# Allegro board FMDEMOD-Long.brd (continued)
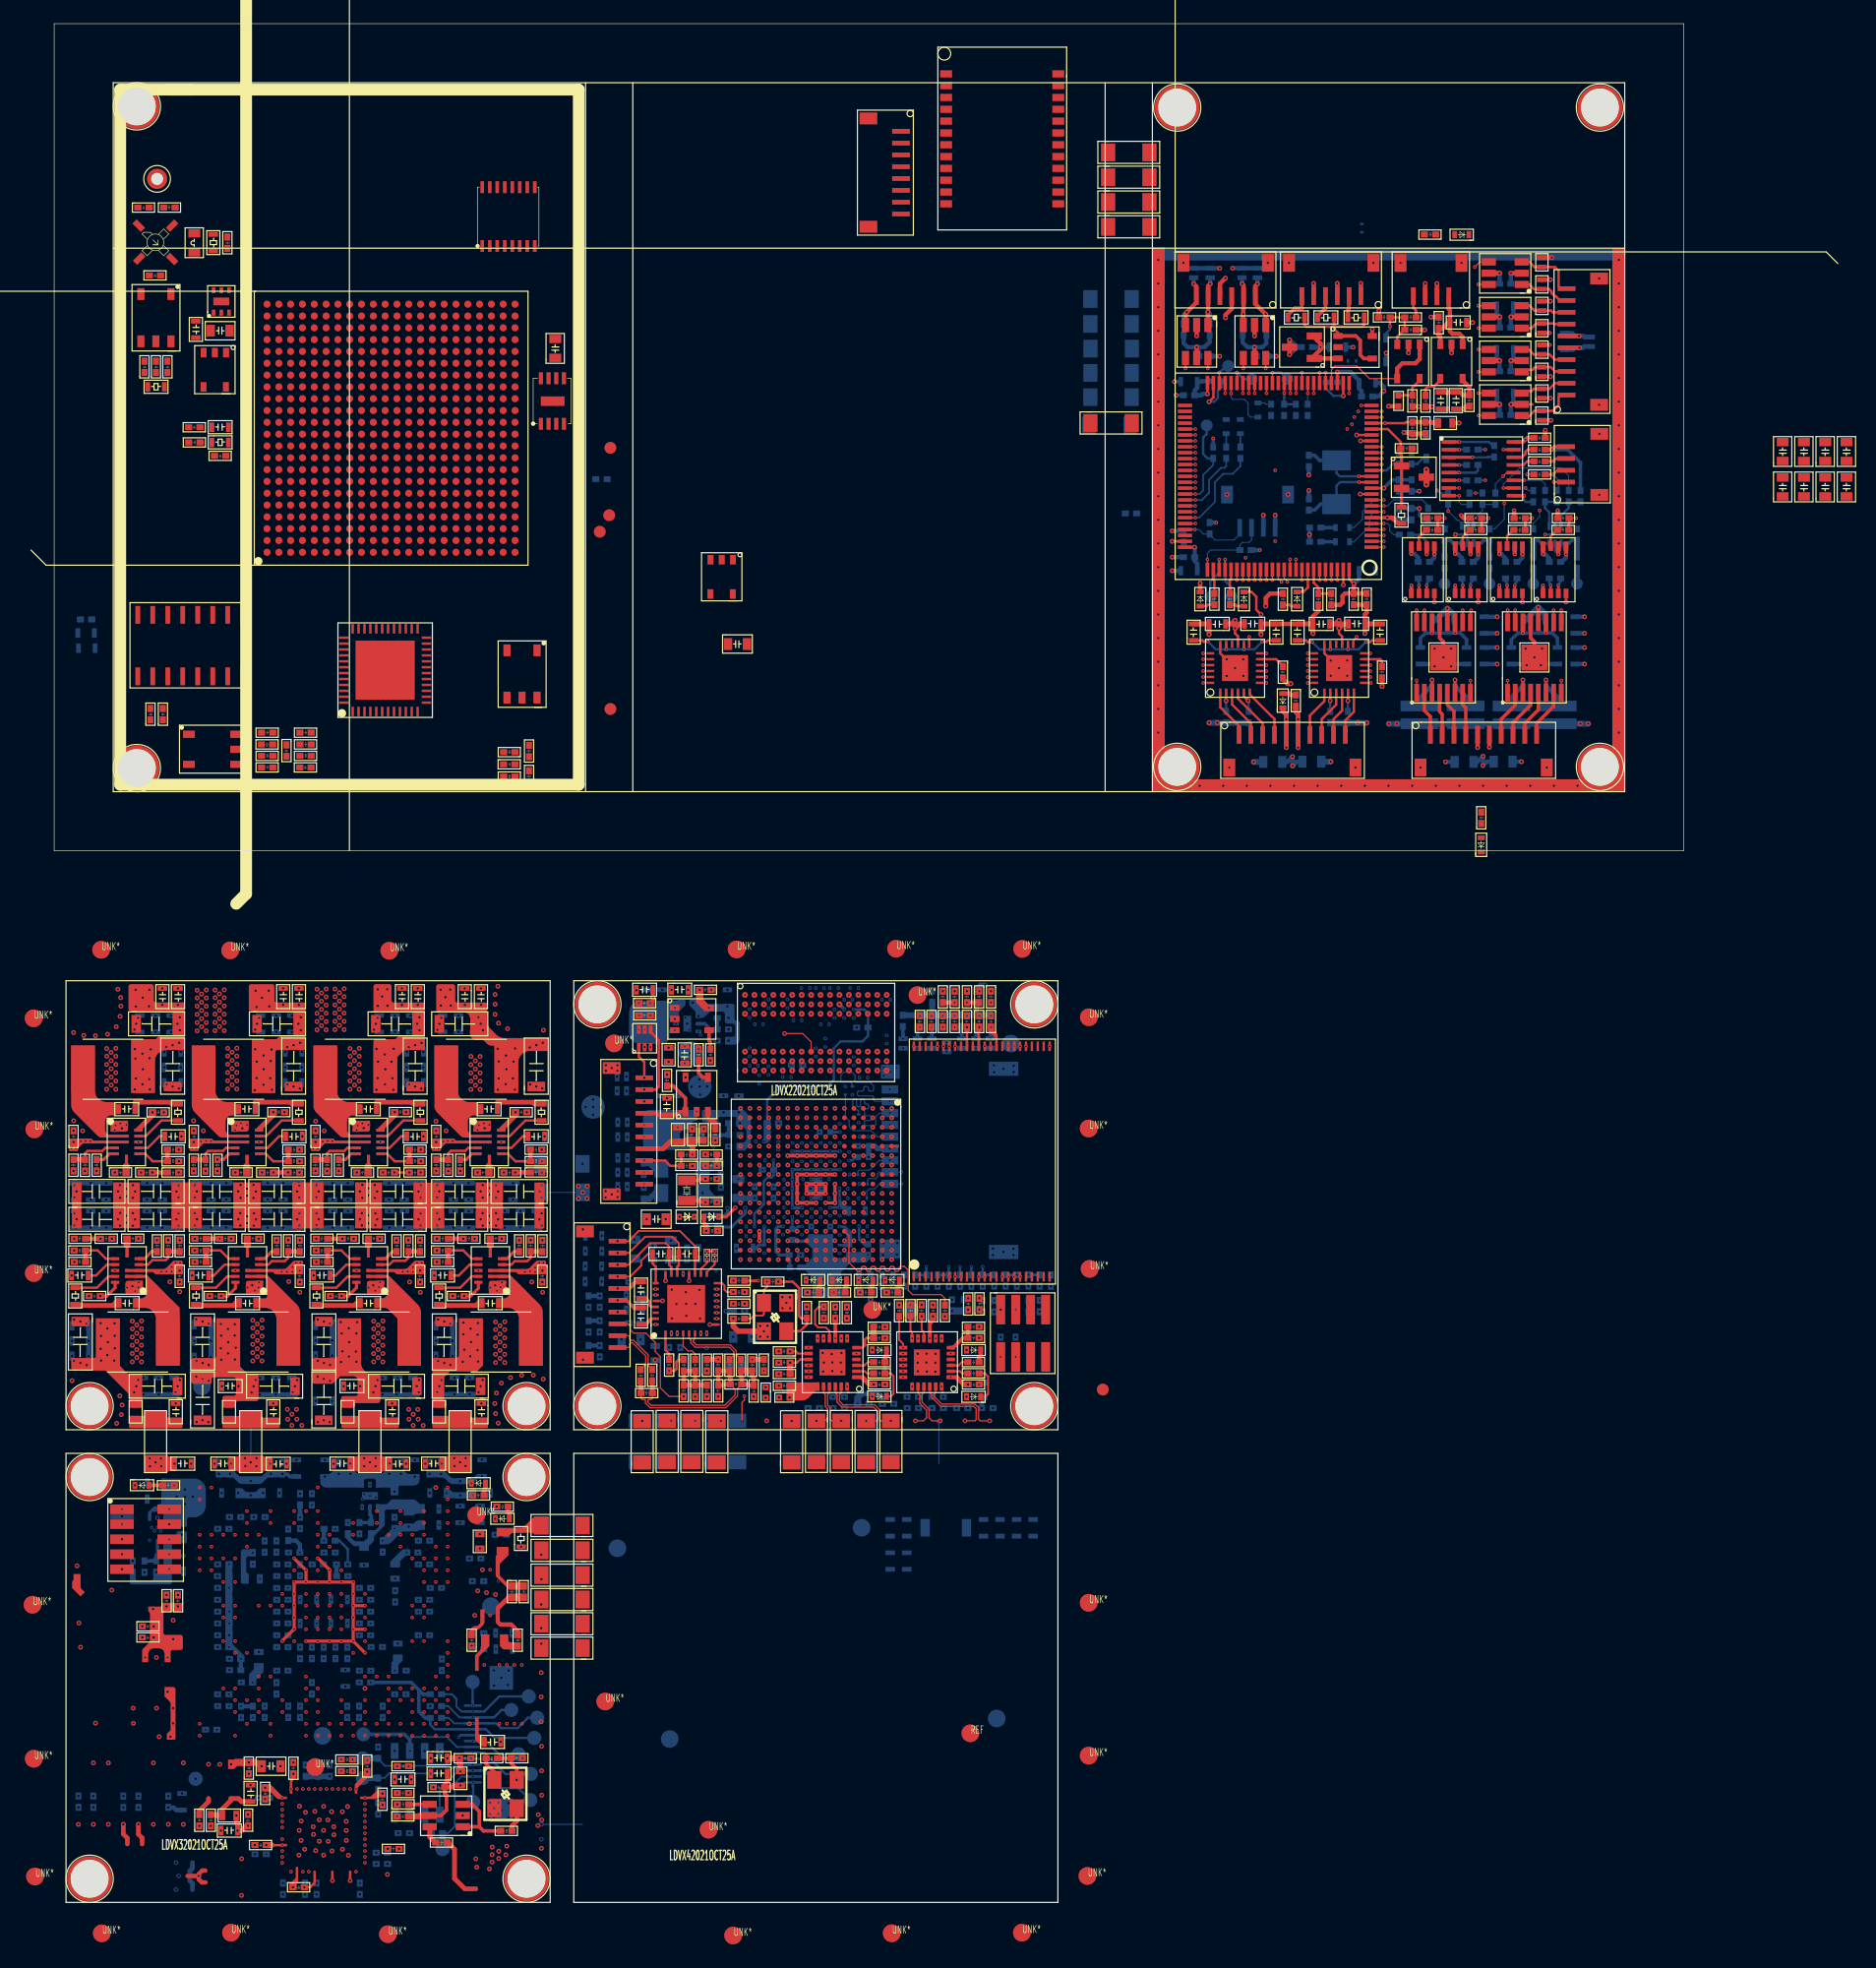
[diagram p0: board, top side]
## Routing (per net, layer and track width the routed paths; a pad name or vN(x,y) marks a point on that pad's centre or on a via; arc(x,y) is an arc through that point) (continued)
ODT1: length 4.5
  SIGNAL-L8 w0.1: v15(66.92,-21.8) 66.92,-21.46 66.17,-20.71 66.17,-19.81 65.96,-19.61 65.16,-19.61 64.9,-19.35 v15(64.9,-18.6)
OSCIN: length 7.2
  TOP w0.2: v1(110.5,31.2) 110.51,31.19 U19.12
  BOTTOM w0.2: v1(110.5,31.2) 108.9,31.2 108.59,30.89 Y3.2
  BOTTOM w0.3: Y3.2 107.24,29.34 106.73,28.83 C527.2
OSCOUT: length 6.7
  TOP w0.2: U19.13 v1(110.5,31.69)
  BOTTOM w0.2: v1(110.5,31.69) 108.87,31.69 108.59,31.96 Y3.1
  BOTTOM w0.3: C513.2 106.73,33.47 107.16,33.04 Y3.1
PHY1_3V3: length 2
  PWR-L6 w0.26: v6(72.22,-46.22) 72.65,-45.8 v3(72.65,-45.34)
  BOTTOM w0.36: v6(78.54,-47.17) 78.54,-46.75 78.63,-46.65 v6(78.63,-46.22)
  vias: v3(75.93,-44.55) v5(77.37,-45.17) v6(72.23,-47.17) v6(74.34,-47.17) v6(76.42,-47.17)
PHY2_3V3: length 1
  TOP w0.1: v5(62.28,-46.27) 62.28,-45.85 62.32,-45.81 C114.1
  vias: v5(69.39,-45.17) v6(63.84,-47.17) v6(65.96,-47.17) v6(68.04,-46.81) v6(70.14,-46.81)
PHY_UART_RX1: length 7.3
  TOP w0.3: J21.4 127.05,34.2 v1(126.8,33.95) R371.2
  BOTTOM w0.1: 129.25,30.29 R348.1
  BOTTOM w0.3: v1(126.8,33.95) 128.15,33.95 129.25,32.85 R348.1
PMIC_ON_REQ: length 16.8
  SIGNAL-L3 w0.1: v14(44.75,-26.5) 45.59,-26.5 46.91,-25.18 51.49,-25.18 52.42,-26.11 56.69,-26.11 56.8,-26.22 58.34,-26.22 58.52,-26.39 58.52,-27.8 v10(58.92,-28.2)
POWER_GOOD: length 38.2
  TOP w0.2: v11(28.81,-27.22) v11(30.08,-27.22)
  TOP w0.25: v11(13.83,-26.14) 14.33,-26.14 14.82,-25.65 U6.5
  TOP w0.36: R47.1 v11(39.04,-27.22)
  SIGNAL-L3 w0.2: v11(13.83,-26.14) 14.25,-26.14 14.46,-26.34 14.46,-27.48 14.66,-27.68 28.36,-27.68 v11(28.81,-27.22) 28.81,-26.8 29.26,-26.35 29.26,-25.15 28.76,-24.65 v10(27.62,-24.65) ; v10(37.86,-24.65) 38.93,-24.65 39.57,-25.28 39.57,-26.08 39.03,-26.61 ; v11(39.04,-27.22) 39.04,-26.62 39.03,-26.61 ; 39.03,-26.61 30.69,-26.61 v11(30.08,-27.22)
PT100-1: length 9.4
  TOP w0.1: U19.30 v1(107.67,40.47)
  TOP w0.3: J7.2 109.64,46.92 v1(109.64,45.91) 109.64,45.82 109.55,45.73 R299.2
  SIGNAL-L3 w0.1: v1(109.64,45.91) 109.01,45.91 108.5,45.4 108.5,41.67 107.67,40.84 v1(107.67,40.47)
PT100-2: length 9.1
  TOP w0.1: U19.31 v1(107.17,40.47)
  TOP w0.3: J7.4 107.67,46.93 v1(107.67,45.91) 106.99,45.24 R298.2
  SIGNAL-L3 w0.1: v1(107.17,40.47) 107.17,40.9 106.55,41.52 106.55,44.16 107.67,45.28 v1(107.67,45.91)
PT100-3: length 9
  TOP w0.1: U19.34 v1(105.67,40.47)
  TOP w0.3: R297.2 104.49,45.34 105.06,45.91 v1(105.66,45.91) J7.6
  SIGNAL-L3 w0.1: v1(105.66,45.91) 105.66,45.59 105.67,45.58 v1(105.67,40.47)
RAS: length 9.8
  SIGNAL-L4 w0.1: v17(64.9,-17) 64.51,-17.39 64.51,-18.93 63.67,-19.78 63.12,-19.78 61.69,-21.2 61.69,-24.57 v17(62.12,-25)
RSSI: length 12.9
  SIGNAL-L4 w0.2: v12(10.94,-82.4) 10.29,-81.75 5.49,-81.75 3.74,-80 v16(3.31,-80)
  SIGNAL-L4 w0.3: v16(11.98,-78.54) 11.98,-81.35 v12(10.94,-82.4)
RST_B: length 13.1
  SIGNAL-L8 w0.1: v9(70.5,-16.33) v15(70.5,-17.8) 70.5,-18.17 71.52,-19.19 71.52,-22.64 69.56,-24.59 66.52,-24.59 v15(66.12,-24.2)
SAI2_BCLK: length 12.4
  SIGNAL-L4 w0.1: v17(61.32,-33.8) 60.53,-34.59 60.53,-34.73 60.82,-35.01 60.82,-35.15 60.67,-35.29 60.53,-35.29 60.25,-35.01 60.11,-35.01 59.95,-35.17 59.95,-36.97 60.05,-37.07 60.33,-37.07 60.43,-37.17 60.43,-37.33 60.33,-37.43 60.05,-37.43 59.95,-37.53 59.95,-38.27 58.08,-40.14 57.22,-40.14 56.93,-39.84 56.93,-39.07 56.45,-38.59 v17(56.11,-38.59)
SAI2_MCLK: length 14
  SIGNAL-L4 w0.1: v17(56.11,-39.09) 56.43,-39.09 56.55,-39.21 56.55,-40 57.08,-40.53 58.61,-40.53 60.86,-38.28 60.86,-35.88 61.75,-34.99 61.75,-32.91 61.41,-32.57 60.89,-32.57 v17(60.52,-32.2)
SAI2_RXD: length 13.7
  TOP w0.16: U15.16 56.56,-36.59 56.77,-36.8 56.77,-37.15 56.97,-37.34 v12(57.51,-37.34)
  SIGNAL-L4 w0.1: v17(62.12,-32.2) 61.73,-31.81 61.73,-31.19 61.55,-31 60.05,-31 59.23,-31.83 57.59,-31.83 57.15,-32.27 57.15,-35.98 56.97,-36.16 56.97,-36.81 v12(57.51,-37.34)
SAI2_SYNC: length 12.2
  SIGNAL-L4 w0.1: v17(56.11,-38.09) 56.43,-38.09 56.43,-38.09 56.53,-38.09 57.36,-38.92 58.63,-38.92 59.33,-38.22 59.33,-34.99 59.67,-34.65 59.67,-34.51 59.33,-34.17 59.33,-34.03 59.47,-33.89 59.61,-33.89 59.95,-34.23 60.09,-34.23 60.23,-34.09 60.23,-33.94 59.89,-33.6 59.89,-33.46 60.03,-33.32 60.18,-33.32 60.52,-33.66 60.66,-33.66 v17(61.32,-33)
SAI2_TXD: length 12.1
  SIGNAL-L4 w0.1: v17(56.11,-37.59) 56.61,-37.59 56.86,-37.84 58.05,-37.84 58.49,-37.4 58.49,-35.52 57.59,-34.63 57.59,-32.88 57.9,-32.57 59.94,-32.57 60.13,-32.38 60.13,-32.01 60.34,-31.81 60.93,-31.81 v17(61.32,-32.2)
SD1_CD: length 27.7
  PWR-L6 w0.22: v4(70.77,-20.2) 71.11,-20.2 71.89,-19.42 v4(71.89,-15.91)
  SIGNAL-L7 w0.1: v18(64.52,-32.2) 64.52,-32.54 65.65,-33.66 65.65,-33.68 65.71,-33.73 65.71,-34.92 65.93,-35.14 67.37,-35.14 67.74,-34.77 67.74,-33.49 67.26,-33.01 67.26,-28.15 68.82,-26.59 68.82,-25.49 70.32,-23.99 70.32,-20.65 v4(70.77,-20.2)
  BOTTOM w0.3: v4(71.89,-15.91) 71.89,-15.53 71.87,-15.51 R210.2
SD1_CLK: length 8.5
  SIGNAL-L4 w0.1: v20(67.01,-19.94) 67.01,-20.97 67.34,-21.3 67.34,-22.21 67.44,-22.31 67.54,-22.31 67.64,-22.21 67.64,-21.37 67.72,-21.29 67.97,-21.29 68.07,-21.39 68.07,-22.16 68.17,-22.26 68.47,-22.26 68.57,-22.16 68.57,-21.39 68.64,-21.33 68.84,-21.33 68.94,-21.43 68.94,-22.28 69.04,-22.38 69.22,-22.38 69.32,-22.28 v17(69.32,-21.8)
SD1_CMD: length 13.8
  SIGNAL-L3 w0.1: v7(67.37,-27.39) 66.72,-27.39 66.62,-27.29 66.62,-27.15 66.89,-26.88 66.89,-26.7 66.79,-26.6 66.1,-26.6 66,-26.5 66,-26.29 66.07,-26.22 66.46,-26.22 66.56,-26.12 66.82,-26.12 66.92,-26.02 66.92,-25.87 66.82,-25.77 66.59,-25.77 66.49,-25.67 66.49,-25.52 66.59,-25.42 66.92,-25.42 67.02,-25.32 67.02,-25.2 66.92,-25.1 66.06,-25.1 65.91,-24.95 65.91,-24.75 66.05,-24.61 67.3,-24.61 67.71,-24.19 68.54,-24.19 68.95,-23.78 70.38,-23.78 70.57,-23.6 70.57,-23.13 70.41,-22.97 69.69,-22.97 v10(69.32,-22.6)
SD1_DATA0: length 4.9
  SIGNAL-L4 w0.1: v17(70.12,-23.4) 68.62,-23.4 68.07,-23.95 67.38,-23.95 67.17,-23.73 67.17,-23.16 67.31,-23.02 v20(68.12,-23.02)
SD1_DATA1: length 4
  SIGNAL-L4 w0.1: v17(70.12,-22.6) 70.12,-21.39 69.38,-20.65 v20(67.6,-20.65)
SD1_DATA2: length 13.7
  SIGNAL-L3 w0.1: v7(68.12,-29.4) 67.3,-29.4 66.86,-28.96 66.86,-28.28 66.38,-27.81 65.97,-27.81 65.7,-27.54 65.7,-27.14 64.89,-26.32 64.89,-24.89 65.19,-24.58 65.55,-24.58 65.7,-24.43 65.7,-23.97 65.94,-23.73 68.17,-23.73 68.89,-23.02 68.89,-22.48 69.16,-22.21 69.64,-22.21 70.05,-21.8 v10(70.12,-21.8)
SD1_DATA3: length 11.9
  SIGNAL-L3 w0.1: v7(68.17,-28.19) 68.17,-27.62 67.33,-26.78 67.33,-25.37 68.15,-24.56 71.13,-24.56 71.47,-24.21 71.47,-23.4 71.57,-23.3 72.54,-23.3 72.64,-23.2 72.64,-23 72.54,-22.9 71.57,-22.9 71.27,-22.6 v10(70.92,-22.6)
SDQS0N: length 22.9
  SIGNAL-L7 w0.1: v18(60.52,-26.6) 60.99,-26.6 61.14,-26.74 61.14,-27.72 60.94,-27.92 59.56,-27.92 59.38,-28.1 59.38,-28.74 59.64,-29.01 61.67,-29.01 62.14,-28.55 62.14,-28.28 62.25,-28.17 62.68,-28.17 62.88,-27.97 62.88,-27.75 62.67,-27.54 62.67,-27.32 62.91,-27.08 62.91,-26.75 62.14,-25.99 62.14,-24.96 62.35,-24.75 62.35,-23.77 62.55,-23.58 62.55,-23.22 62.41,-23.09 62.41,-22.91 62.55,-22.78 62.55,-22.42 62.38,-22.25 62.38,-22.06 62.45,-21.98 62.45,-21.64 62.1,-21.29 61.86,-21.29 61.51,-20.94 61.51,-20.39 62.02,-19.89 63.14,-19.89 63.35,-19.68 63.35,-19.17 63.02,-18.84 63.02,-18.33 63.2,-18.16 v19(63.38,-18.16) 63,-17.77 63,-17.3 v18(63.3,-17)
SDQS0P: length 22
  SIGNAL-L7 w0.1: v18(60.52,-25.8) 61.09,-25.8 61.36,-26.08 61.36,-27.87 61.01,-28.22 59.7,-28.22 59.6,-28.32 59.6,-28.65 59.74,-28.79 61.58,-28.79 61.91,-28.46 61.91,-27.96 62.35,-27.52 62.35,-27.35 62.19,-27.19 62.19,-26.52 61.86,-26.19 61.86,-24.8 61.98,-24.67 61.98,-23.89 61.79,-23.7 61.79,-23.27 61.91,-23.15 61.91,-22.9 61.73,-22.72 61.73,-22.48 61.94,-22.27 61.94,-22.08 61.7,-21.85 61.7,-21.51 61.26,-21.07 61.26,-20.32 61.92,-19.66 63.03,-19.66 63.12,-19.57 63.12,-19.26 62.79,-18.94 62.79,-18.35 62.6,-18.16 v19(62.42,-18.16) 62.76,-17.82 62.76,-17.26 v18(62.5,-17)
SDQS1N: length 17.1
  SIGNAL-L7 w0.1: v18(58.92,-22.6) 58.46,-22.14 58.46,-21.94 58.39,-21.87 58.39,-21.19 58.56,-21.03 58.64,-21.03 58.74,-20.93 58.74,-20.55 58.64,-20.45 58.34,-20.45 58.13,-20.67 57.79,-20.67 57.56,-20.44 57.56,-19.87 57.79,-19.65 58.18,-19.65 58.38,-19.45 58.69,-19.45 58.79,-19.55 59.01,-19.55 59.11,-19.45 59.11,-19.31 58.95,-19.15 57.8,-19.15 57.57,-18.92 57.57,-18.26 57.83,-18.01 58.08,-18.01 58.18,-17.91 58.18,-16.83 58.4,-16.61 58.86,-16.61 59.03,-16.44 59.03,-16.19 58.93,-16.09 58.27,-16.09 57.82,-15.64 57.82,-15.23 58.09,-14.96 58.68,-14.96 58.86,-15.14 59.36,-15.14 59.53,-14.97 59.53,-14.87 v19(59.34,-14.69) 59.58,-14.45 59.58,-14.08 v18(59.3,-13.8)
SDQS1P: length 16.3
  SIGNAL-L7 w0.1: v18(58.92,-21.8) 58.6,-21.48 58.6,-21.28 58.65,-21.24 58.73,-21.24 58.95,-21.01 58.95,-20.47 58.73,-20.25 58.25,-20.25 58.04,-20.46 57.87,-20.46 57.77,-20.36 57.77,-19.96 57.87,-19.86 58.26,-19.86 58.46,-19.66 58.6,-19.66 58.7,-19.76 59.1,-19.76 59.32,-19.54 59.32,-19.22 59.04,-18.94 57.88,-18.94 57.78,-18.84 57.78,-18.35 57.91,-18.21 58.17,-18.21 58.39,-17.99 58.39,-16.92 58.49,-16.81 58.99,-16.81 59.24,-16.56 59.24,-16.1 59.01,-15.88 58.35,-15.88 58.03,-15.56 58.03,-15.32 58.18,-15.17 58.59,-15.17 58.77,-15.35 59.44,-15.35 59.81,-14.99 59.81,-14.92 v19(60.04,-14.69) 59.8,-14.45 59.8,-14.1 v18(60.1,-13.8)
SDWE: length 13.8
  SIGNAL-L8 w0.1: v15(66.5,-17) 66.5,-16.67 66.73,-16.44 68.99,-16.44 69.55,-17 69.55,-19.64 68.19,-21.01 68.19,-21.86 68.19,-21.86 68.19,-22.03 67.36,-22.86 65.58,-22.86 v15(64.52,-21.8)
SMTR1_ADEC: length 12.4
  TOP w0.1: U19.86 v1(102.66,22.91) ; U48.19 v1(97.3,16.71)
  SIGNAL-L3 w0.1: v1(102.66,22.91) 102.66,22.16 100.9,20.4 97.8,20.4 96.8,19.4 96.8,16.88 96.97,16.71 v1(97.3,16.71)
SMTR1_DEC0: length 14.4
  TOP w0.1: U19.83 v1(101.16,22.91) ; U48.22 v1(97.3,15.21)
  SIGNAL-L3 w0.1: v1(97.3,15.21) 96.89,15.21 95.6,16.5 95.6,20.1 97,21.5 100.3,21.5 101.16,22.36 v1(101.16,22.91)
SMTR1_DEC1: length 15.9
  TOP w0.1: U48.24 v1(97.3,14.21) ; v1(100.16,22.91) U19.81
  SIGNAL-L3 w0.1: v1(100.16,22.91) 100.16,22.58 99.78,22.2 96.3,22.2 94.8,20.7 94.8,16 96.59,14.21 v1(97.3,14.21)
SMTR1_DIR: length 7.1
  TOP w0.1: U48.13 v1(101.2,18.1) ; v1(103.16,22.91) 103.16,22.97 103.16,22.97 U19.87
  SIGNAL-L3 w0.1: v1(101.2,18.1) 101.2,20 103.16,21.96 v1(103.16,22.91)
SMTR1_I0: length 13.1
  TOP w0.1: U48.20 v1(97.3,16.21) ; U19.85 v1(102.16,22.91)
  SIGNAL-L3 w0.1: v1(102.16,22.91) 102.16,22.16 100.8,20.8 97.5,20.8 96.4,19.7 96.4,16.78 96.97,16.21 v1(97.3,16.21)
SMTR1_I1: length 13.8
  TOP w0.1: U48.21 v1(97.3,15.71) ; U19.84 v1(101.66,22.91)
  SIGNAL-L3 w0.1: v1(97.3,15.71) 96.89,15.71 96,16.6 96,19.9 97.2,21.1 100.5,21.1 101.66,22.26 v1(101.66,22.91)
SMTR1_M0: length 11.2
  TOP w0.1: v1(102.65,14.7) 102.6,14.7 102.59,14.71 U48.8 ; U19.92 v1(105.66,22.91)
  SIGNAL-L3 w0.1: v1(105.66,22.91) 105.66,22.06 104.05,20.45 104.05,15.55 103.2,14.7 v1(102.65,14.7)
SMTR1_M1: length 10.2
  TOP w0.1: v1(104.43,22.75) 104.43,22.8 104.16,23.07 U19.89 ; v1(102.65,15.2) 102.5,15.2 102.49,15.21 U48.9
  SIGNAL-L3 w0.1: v1(104.43,22.75) 104.43,21.52 103.72,20.81 103.72,15.89 103.03,15.2 v1(102.65,15.2)
SMTR1_NFAULT: length 13.8
  TOP w0.1: v1(102.65,14.2) 102.5,14.2 102.49,14.21 U48.7 ; U19.93 v1(106.16,22.91)
  TOP w0.2: D43.1 105.78,21.9 106.17,22.29 v1(106.17,22.91)
  SIGNAL-L3 w0.1: v1(102.65,14.2) 103.4,14.2 104.37,15.17 104.37,20.07 106.17,21.87 v1(106.17,22.91)
SMTR1_NSLEEP: length 15.2
  TOP w0.1: U48.23 v1(97.3,14.71) ; U19.82 v1(100.66,22.91)
  SIGNAL-L3 w0.1: v1(100.66,22.91) 100.66,22.36 100.2,21.9 96.7,21.9 95.2,20.4 95.2,16.3 96.79,14.71 v1(97.3,14.71)
SMTR1_PWM: length 28
  TOP w0.1: v1(102.65,16.7) 102.6,16.7 102.59,16.71 U48.12 ; U19.25 v1(110.68,37.69)
  SIGNAL-L3 w0.1: v1(110.68,37.69) 106.99,37.69 103.9,34.6 103.9,30.45 103.86,30.41 103.86,29.89 103.9,29.85 103.9,25.39 103.53,25.02 103.53,21.73 103.08,21.28 103.08,17.13 v1(102.65,16.7)
SMTR1_TOFF_SEL: length 9.5
  TOP w0.1: v1(103.93,22.75) 103.66,23.02 U19.88 ; U48.10 v1(102.65,15.71)
  SIGNAL-L3 w0.1: v1(103.93,22.75) 103.93,21.54 103.41,21.02 103.41,16.09 103.03,15.71 v1(102.65,15.71)
SMTR2_ADEC: length 20.1
  TOP w0.1: v1(112.6,27.2) 112.59,27.19 U19.4 ; U28.19 v1(106.16,16.71)
  SIGNAL-L4 w0.1: v1(112.6,27.2) 112.93,27.2 113.3,26.83 113.3,21.6 112.2,20.5 106.4,20.5 105.1,19.2 105.1,17.38 105.77,16.71 v1(106.16,16.71)
SMTR2_DEC0: length 11
  TOP w0.1: U28.22 v1(106.16,15.21) ; U19.97 v1(108.16,22.91)
  SIGNAL-L3 w0.1: v1(108.16,22.91) 108.16,22.16 105.3,19.3 105.3,15.5 105.59,15.21 v1(106.16,15.21)
SMTR2_DEC1: length 12.2
  TOP w0.1: U28.24 106.21,14.21 106.2,14.2 v1(106.16,14.2) ; U19.95 v1(107.16,22.91)
  SIGNAL-L3 w0.1: v1(106.16,14.2) 105.4,14.2 104.7,14.9 104.7,19.8 107.16,22.26 v1(107.16,22.91)
SMTR2_DIR: length 29.6
  TOP w0.1: v1(99.17,38.71) U19.47 ; v1(110.3,18.1) 110.01,17.81 U28.13
  SIGNAL-L8 w0.1: v1(110.3,18.1) 110.3,20.3 109.4,21.2 105.7,21.2 104.9,22 104.9,23 103.6,24.3 103.6,25.4 104.2,26 104.2,29.87 104.09,29.98 104.09,30.32 104.2,30.43 104.2,30.5 99.17,35.53 v1(99.17,38.71)
SMTR2_I0: length 19.9
  TOP w0.1: U19.71 96.59,27.69 96.6,27.7 v1(96.64,27.7) ; U28.20 v1(106.16,16.21)
  SIGNAL-L4 w0.1: v1(96.64,27.7) 97.3,27.7 97.8,27.2 101.1,27.2 104.98,23.32 104.98,20.08 104.6,19.7 104.6,17.2 105.59,16.21 v1(106.16,16.21)
SMTR2_I1: length 10.4
  TOP w0.1: U19.98 v1(108.66,22.91) ; U28.21 v1(106.16,15.71)
  SIGNAL-L3 w0.1: v1(106.16,15.71) 105.79,15.71 105.6,15.9 105.6,19 108.66,22.06 v1(108.66,22.91)
SMTR2_M0: length 15.7
  TOP w0.1: U19.3 v1(112.6,26.69) ; v1(111.46,14.71) U28.8
  SIGNAL-L3 w0.1: v1(111.46,14.71) 112.01,14.71 113.9,16.6 113.9,25.8 113.01,26.69 v1(112.6,26.69)
SMTR2_M1: length 14.3
  TOP w0.1: U28.9 v1(111.46,15.21) ; v1(112.6,26.19) U19.2
  SIGNAL-L3 w0.1: v1(111.46,15.21) 111.91,15.21 113.5,16.8 113.5,25.7 113.01,26.19 v1(112.6,26.19)
SMTR2_NFAULT: length 40.5
  TOP w0.1: U28.7 111.49,14.21 v1(111.5,14.2) ; U19.46 v1(99.67,38.7)
  SIGNAL-L3 w0.1: v1(100.9,24.8) 100.9,32.4 99.67,33.63 v1(99.67,38.7)
  SIGNAL-L7 w0.1: v1(100.9,24.8) 100.9,24.2 101.3,23.8 104.5,23.8 104.9,23.4 104.9,22 105.7,21.2 110.72,21.2 112.2,19.72 112.2,14.5 111.9,14.2 v1(111.5,14.2)
  BOTTOM w0.1: D19.1 101.3,36.7 101.1,36.9 101.1,37.9 100.8,38.2 99.8,38.2 99.67,38.33 v1(99.67,38.7)
SMTR2_NSLEEP: length 11.7
  TOP w0.1: v1(106.16,14.7) 106.2,14.7 106.21,14.71 U28.23 ; U19.96 v1(107.66,22.91)
  SIGNAL-L3 w0.1: v1(107.66,22.91) 107.66,22.16 104.99,19.49 104.99,15.21 105.5,14.7 v1(106.16,14.7)
SMTR2_PWM: length 27.2
  TOP w0.1: U28.12 v1(111.46,16.71) ; U19.26 v1(109.67,38.71)
  SIGNAL-L4 w0.1: v1(111.46,16.71) 111.91,16.71 114,18.8 114,34.2 111.6,36.6 111.6,37.8 110.69,38.71 v1(109.67,38.71)
SMTR2_TOFF_SEL: length 12.9
  TOP w0.1: U19.1 v1(112.6,25.69) ; U28.10 v1(111.46,15.71)
  SIGNAL-L3 w0.1: v1(112.6,25.69) 112.93,25.69 113.1,25.51 113.1,16.98 111.83,15.71 v1(111.46,15.71)
SPK_LN: length 9
  TOP w0.16: v12(47.71,-35.04) 48.64,-35.04 50.47,-33.21 51.79,-33.21 52.08,-33.49 C73.2
  TOP w0.2: C73.2 52.08,-35.04 52.27,-35.23 U15.23
  SIGNAL-L4 w0.3: v16(46.37,-35.16) 46.93,-35.16 47.05,-35.04 v12(47.71,-35.04)
SPK_LP: length 8.1
  TOP w0.16: v12(47.71,-36.04) 48.77,-36.04 49.71,-35.1 49.71,-34.68 50.27,-34.13 C73.1
  TOP w0.2: U15.25 50.95,-35.2 50.68,-34.93 C73.1
  SIGNAL-L4 w0.3: v12(47.71,-36.04) 46.78,-36.04 v16(46.37,-36.45)
SPK_RN: length 11.3
  TOP w0.16: C74.2 54.29,-33.48 52.99,-32.18 49.49,-32.18 48.64,-33.04 v12(47.71,-33.04)
  TOP w0.2: C74.2 54.29,-34.7 54.27,-34.73 U15.19
  SIGNAL-L4 w0.3: v16(46.38,-32.59) 46.85,-32.59 47.3,-33.04 v12(47.71,-33.04)
SPK_RP: length 10
  TOP w0.16: C74.1 52.89,-33.21 52.34,-32.67 50.04,-32.67 48.67,-34.04 v12(47.71,-34.04)
  TOP w0.2: C74.1 52.89,-35.09 52.77,-35.21 U15.22
  SIGNAL-L4 w0.3: v16(46.38,-33.87) 46.95,-33.87 47.12,-34.04 v12(47.71,-34.04)
STEP1A_DRV1: length 4.3
  TOP w0.2: J18.1 100.34,10.56 98.75,12.15 U48.1
STEP1A_DRV2: length 4.3
  TOP w0.2: J18.2 101.34,10.79 99.75,12.38 U48.3
STEP1B_DRV1: length 4.5
  TOP w0.2: U48.6 101.25,13.23 103.09,11.39 103.1,11.39 103.34,11.15 J18.4
STEP1B_DRV2: length 4.5
  TOP w0.2: J18.3 102.34,10.79 100.25,12.88 U48.4
STEP2A_DRV1: length 4.1
  TOP w0.2: U28.1 107.56,12.66 106.34,11.44 J18.7
STEP2A_DRV2: length 4.1
  TOP w0.2: U28.3 108.56,12.36 107.34,11.14 J18.8
STEP2B_DRV1: length 3.9
  TOP w0.2: J18.10 109.34,11.04 110.06,11.76 U28.6
STEP2B_DRV2: length 3.9
  TOP w0.2: J18.9 108.34,11.14 109.06,11.86 U28.4
SWCLK: length 6.9
  TOP w0.1: U19.76 v1(97.66,24.66)
  BOTTOM w0.1: v1(97.66,24.66) 97.66,25.16 97.95,25.45 R157.1 100.41,25.88 100.63,26.1 101.2,26.1 101.4,26.3 J20.2
SWDIO: length 5.8
  TOP w0.1: U19.72 v1(96.6,27.19)
  BOTTOM w0.1: v1(96.6,27.19) 96.92,27.19 97.3,26.81 R153.1 97.85,26.76 98.31,26.3 99.92,26.3 100.4,26.78 J20.1
TCK: length 19.9
  SIGNAL-L8 w0.1: v9(35.45,-73.34) 34.66,-73.34 34.12,-73.89 v15(22.32,-73.89)
  BOTTOM w0.16: v9(35.45,-73.34) 34.31,-73.34 33.36,-72.39 R353.2
  BOTTOM w0.2: TP15.1 37.88,-72.72 37.25,-73.34 v9(35.45,-73.34)
TDI: length 26.1
  SIGNAL-L8 w0.1: v9(35.45,-73.84) 35.77,-73.84 36.17,-73.45 36.17,-71.73 35.21,-70.77 29.06,-70.77 28.53,-71.3 22.74,-71.3 v15(22.32,-70.89)
  BOTTOM w0.16: v9(35.45,-73.84) 33.86,-73.84 33.4,-73.39 R356.2
  BOTTOM w0.2: v9(35.45,-73.84) 37.43,-73.84 37.84,-74.25 39.24,-74.25 40.12,-73.37 TP16.1
TDO: length 15.3
  SIGNAL-L8 w0.1: v15(22.32,-71.89) 34.23,-71.89 34.68,-72.34 v9(35.45,-72.34)
  BOTTOM w0.2: v9(35.45,-72.34) 35.45,-72.02 35.44,-72.01 TP13.1
TMS: length 24.4
  SIGNAL-L8 w0.1: v15(22.32,-74.89) 21.72,-74.29 21.72,-73.69 22.15,-73.26 33.84,-73.26 34.26,-72.84 v9(35.45,-72.84)
  BOTTOM w0.16: R352.2 33.69,-71.39 34.06,-71.76 34.06,-72.41 34.49,-72.84 v9(35.45,-72.84)
  BOTTOM w0.2: v9(35.45,-72.84) 36.42,-72.84 37.7,-71.57 TP14.1
TTL_TXD: length 11.2
  TOP w0.2: v1(127,31.2) J21.1
  SIGNAL-L3 w0.1: v1(127,31.2) 126.5,31.2 124.9,32.8 121.7,32.8 120.37,31.47 v1(120.37,30.27)
  BOTTOM w0.1: R369.2 v1(120.37,30.27) 120.38,30.28 R350.1
USB_OTG1_DN: length 14.7
  SIGNAL-L7 w0.1: v18(58.92,-33) 58.44,-32.52 57.98,-32.52 57.66,-32.2 52.22,-32.2 51.45,-31.43 51.45,-28.45 50.6,-27.61 50.07,-27.61 49.97,-27.51 v18(49.97,-27.22)
  SIGNAL-L7 w0.26: v21(48.53,-27.22) 49.64,-27.22 49.65,-27.22 v18(49.97,-27.22)
USB_OTG1_DP: length 13.9
  SIGNAL-L7 w0.1: v18(49.97,-28.22) 49.97,-27.92 50.07,-27.82 50.52,-27.82 51.24,-28.54 51.24,-31.51 52.13,-32.41 57.53,-32.41 v18(58.12,-33)
  SIGNAL-L7 w0.26: v21(48.52,-28.42) 48.99,-28.42 49.2,-28.22 v18(49.97,-28.22)
USB_OTG1_ID: length 21.7
  TOP w0.2: v13(49.97,-26.22) 51.72,-26.22 52.17,-26.67 R39.2 53.09,-26.14 53.09,-26.14 R22.1
  SIGNAL-L7 w0.26: v13(49.97,-26.22) 49.13,-26.22 48.91,-26 v21(48.54,-26)
  SIGNAL-L8 w0.1: v13(49.97,-26.22) 51.15,-26.22 52.8,-27.87 54.79,-27.87 56.03,-29.1 58.21,-29.1 59.18,-30.08 61.49,-30.08 61.99,-30.58 62.9,-30.58 v15(63.72,-31.4)
USB_OTG1_VBUS: length 17.7
  TOP w0.4: J1.7 51.56,-25.22 52.11,-24.67 52.11,-24.67 52.16,-24.62 52.82,-24.62
  TOP w0.5: v17(54.05,-25.71) 54.05,-25 54.02,-24.98 C36.2 ; 52.82,-24.62 53.46,-24.62 53.58,-24.5 C36.2 ; C36.2 C37.2
  SIGNAL-L4 w0.16: v16(58.52,-30.23) 58.52,-28.51 57.96,-27.94 56.28,-27.94 v17(54.05,-25.71)
  SIGNAL-L4 w0.2: v17(58.92,-30.6) 58.55,-30.23 v16(58.52,-30.23)
  BOTTOM w0.26: C390.2 57.37,-31.84 58.52,-30.69 v16(58.52,-30.23)
USB_OTG2_DN: length 17.3
  SIGNAL-L7 w0.1: v18(58.92,-31.4) 58.62,-31.1 58.62,-31 58.19,-30.58 57.36,-30.58 57.22,-30.72 53.86,-30.72 52.86,-29.72 52.86,-24.47 52,-23.61 50.07,-23.61 49.97,-23.51 v18(49.97,-23.22)
  SIGNAL-L7 w0.26: v21(48.53,-22.97) 48.91,-22.97 49.15,-23.22 v18(49.97,-23.22)
USB_OTG2_DP: length 16.8
  SIGNAL-L7 w0.1: v18(49.97,-24.22) 49.97,-23.92 50.07,-23.82 51.91,-23.82 52.65,-24.56 52.65,-29.81 53.77,-30.93 57.31,-30.93 57.44,-30.79 58.11,-30.79 58.35,-31.03 58.35,-31.17 v18(58.12,-31.4)
  SIGNAL-L7 w0.26: v18(49.97,-24.22) 49.65,-24.22 49.64,-24.22 v21(48.53,-24.22)
USB_OTG2_VBUS: length 18.8
  SIGNAL-L4 w0.16: v12(52.03,-17.86) 52.49,-17.86 52.71,-18.08 52.71,-21.55 52.26,-22 52.26,-26.82 54.3,-28.86 56.12,-28.86 57.02,-29.76 v16(57.02,-30.24) 57.46,-30.67 57.79,-30.67 57.86,-30.6 v17(58.12,-30.6)
  BOTTOM w0.26: C361.2 56.73,-30.89 57.02,-30.6 v16(57.02,-30.24)
USB_VBUS: length 6.8
  TOP w0.3: J1.4 51,-22.22 51.13,-22.35 C27.1 52.76,-22.35 53.03,-22.08 U4.1 53.45,-20.94 52.42,-19.91 R11.2
VCOM: length 14.4
  TOP w0.3: 12.25,-86.76 v2(12.22,-86.76)
  TOP w0.36: 12.82,-87.31 12.49,-87.31 12.25,-87.06 12.25,-86.59 12.53,-86.31 12.8,-86.31 ; 11.29,-86.76 v2(12.22,-86.76)
  SIGNAL-L4 w0.36: v12(20.22,-87.72) 18.26,-87.72 17.31,-86.76 v2(12.22,-86.76)
  BOTTOM w0.4: 11.49,-86.76 11.49,-86.34 11.71,-86.12 11.71,-85.63 ; 11.49,-86.76 11.49,-87.17 11.71,-87.39 11.71,-87.91 ; 11.49,-86.76 v2(12.22,-86.76)
VDPL1: length 0.7
  PWR-L6 w0.38: v3(28.32,-69.89) 28.82,-69.38 v4(28.85,-69.38)
VDPL2: length 0.7
  PWR-L6 w0.38: v4(16.82,-59.41) 16.82,-59.39 v3(16.32,-58.89)
VDPL3: length 0.7
  PWR-L6 w0.38: v3(17.32,-69.89) 16.82,-70.38 v4(16.8,-70.38)
VDPL4: length 0.7
  PWR-L6 w0.38: v3(29.32,-58.89) 29.82,-59.39 v4(29.84,-59.39)
VENET_3V3: length 0
  TOP w0.127: 66.15,-39.56 v5(66.15,-39.57)
  vias: v3(66.15,-41.27) v3(74.15,-41.27) v5(60.25,-46.3) v5(61.36,-42.37) v5(61.36,-43.32) v5(61.38,-46.27) v5(65.18,-39.56) v5(69.28,-42.25) v5(69.28,-46.17) v5(71.55,-38.44) v5(72.52,-38.44) v5(74.42,-39.4) v5(77.26,-42.25) v5(77.26,-46.2) v6(69.39,-41.23) v6(69.39,-44.22) v6(78.63,-45.02)
VMTR: length 15.8
  TOP w0.26: U27.12 v2(125.68,20.6) ; U26.12 v2(117.98,20.5)
  TOP w0.36: J19.5 v2(120.54,8.74)
  BOTTOM w0.36: C187.1 v2(122.2,17.2) ; C188.1 v2(129.6,17.2) ; C649.1 121.32,7.54 121,7.22 ; v2(120.99,7.21) 121,7.22 ; 121,7.22 v2(121,8) 120.52,7.52 C642.1 ; C178.1 v2(122.2,19.8) ; C181.1 v2(129.6,19.8)
  BOTTOM w0.5: C196.1 126.24,20.04 v2(125.68,20.6) 124.65,19.57 124.46,19.57 ; C194.1 118.53,19.95 v2(117.98,20.5) 117.05,19.57 C179.1
VREF_2V5: length 8.4
  TOP w0.2: C487.2 114.03,34.6 112.94,35.69 U19.21
  TOP w0.26: C487.2 114.03,33.54 114.1,33.47 U39.1 U39.2 R320.2
VSMTR: length 14.4
  TOP w0.2: U48.15 100.25,18.15 100,18.4 v2(100,18.83) ; U28.15 109.06,18.14 108.8,18.4 v2(108.8,18.83)
  TOP w0.4: C592.1 100.37,19.2 v2(100,18.83) v2(100,19.5) 99.7,19.2 C590.1 ; C174.1 108.5,19.2 v2(108.8,19.5) v2(108.8,18.83) 109.17,19.2 C177.1 ; v2(105.34,8.73) J18.6 v2(105.34,11.12) 105.34,11.56 105.15,11.75 R379.2
  BOTTOM w0.36: C643.1 104.42,7.52 v2(104.86,7.96) ; v2(104.88,7.18) 105.24,7.54 C648.1
  BOTTOM w0.4: v2(104.86,7.96) 104.86,7.2 v2(104.88,7.18)
XTALI: length 11.5
  TOP w0.2: v22(61.33,-36.47) 62.54,-36.47 63.09,-37.01 63.09,-39.39 63.26,-39.56 C95.2 63.73,-40.09 63.16,-40.66 62,-40.66
  SIGNAL-L7 w0.1: v22(61.33,-36.47) 60.17,-35.31 60.17,-34.54 59.43,-33.8 v18(58.92,-33.8)
XTALO: length 7.1
  TOP w0.16: C98.2 59.02,-39.59 59.27,-39.34 59.97,-39.34 60.1,-39.22 Y2.1 60.1,-37.17 60.37,-36.89 v18(60.37,-36.47)
  SIGNAL-L7 w0.1: v18(60.37,-36.47) 58.92,-35.02 v18(58.92,-34.6)
ZQ0: length 0.6
  BOTTOM w0.3: v4(66.9,-13.44) 66.9,-13.4 v2(66.5,-13)
ZQ1: length 0.6
  PWR-L6 w0.3: v3(66.5,-12.2) v4(66.9,-12.6)
ZQPAD: length 0.4
  PWR-L6 w0.3: v4(61.32,-24.62) 61.32,-24.2 v3(61.32,-24.2)
N01539: length 7.6
  TOP w0.3: U26.11 v1(118.63,18.43) ; U26.14 v1(116.68,18.42)
  BOTTOM w0.3: C166.2 119.6,17.9 119.07,18.43 v1(118.63,18.43) 118.25,18.43 118.24,18.42 v1(116.68,18.42) 116.12,18.42 115.7,18 C167.2
N02684: length 12
  TOP w0.2: v2(116.88,21.05) U46.4 ; U26.3 v2(116.68,14.46)
  SIGNAL-L4 w0.2: v2(116.68,14.46) 116.7,14.48 116.7,14.9 115.7,15.9 115.7,18.4 116.88,19.58 v2(116.88,21.05)
  BOTTOM w0.36: v2(116.68,14.46) 116.69,14.44 116.69,14 115.62,12.93 R170.2
N02906: length 11.8
  TOP w0.2: U26.6 v2(118.63,14.46) ; U45.4 v2(120.59,21.05)
  SIGNAL-L4 w0.2: v2(118.63,14.46) 119.6,15.43 119.6,17.5 120.59,18.49 v2(120.59,21.05)
  BOTTOM w0.36: v2(118.63,14.46) 118.63,13.97 119.52,13.08 R171.2
N04940: length 1.2
  BOTTOM w0.3: R181.2 D20.2
N07800: length 1.3
  TOP w0.2: U45.2 v1(119.29,22.46)
  BOTTOM w0.2: v1(119.29,22.46) 119.29,22.71 119.21,22.79 R360.1
N07815: length 1.4
  TOP w0.2: U45.3 v1(119.94,22.46)
  BOTTOM w0.2: v1(119.94,22.46) 119.94,22.64 120.17,22.87 R360.2
N08892: length 1.3
  TOP w0.2: U46.2 v1(115.58,22.46)
  BOTTOM w0.2: R361.1 115.51,22.79 115.58,22.72 v1(115.58,22.46)
N08904: length 1.4
  TOP w0.2: U46.3 v1(116.23,22.46)
  BOTTOM w0.2: R361.2 116.47,22.87 116.23,22.63 v1(116.23,22.46)
N10404: length 1.7
  TOP w0.2: U46.7 115.58,26.57 116.16,27.15 R339.1
N11136: length 1.7
  TOP w0.2: R342.1 119.86,27.15 119.29,26.58 U45.7
N27735: length 7.6
  TOP w0.3: U27.11 v1(126.33,18.43) ; U27.14 v1(124.38,18.42)
  BOTTOM w0.3: C170.2 127.3,18 126.87,18.43 v1(126.33,18.43) 125.95,18.43 125.94,18.42 v1(124.38,18.42) 123.95,18.42 123.4,17.87 C169.2
N27979: length 11.8
  TOP w0.2: v2(124.34,21.05) U44.4 ; U27.3 v2(124.38,14.46)